# Altium PCB high-spped-thermocouple-logger.PcbDoc (part 2 of 3) (continued)
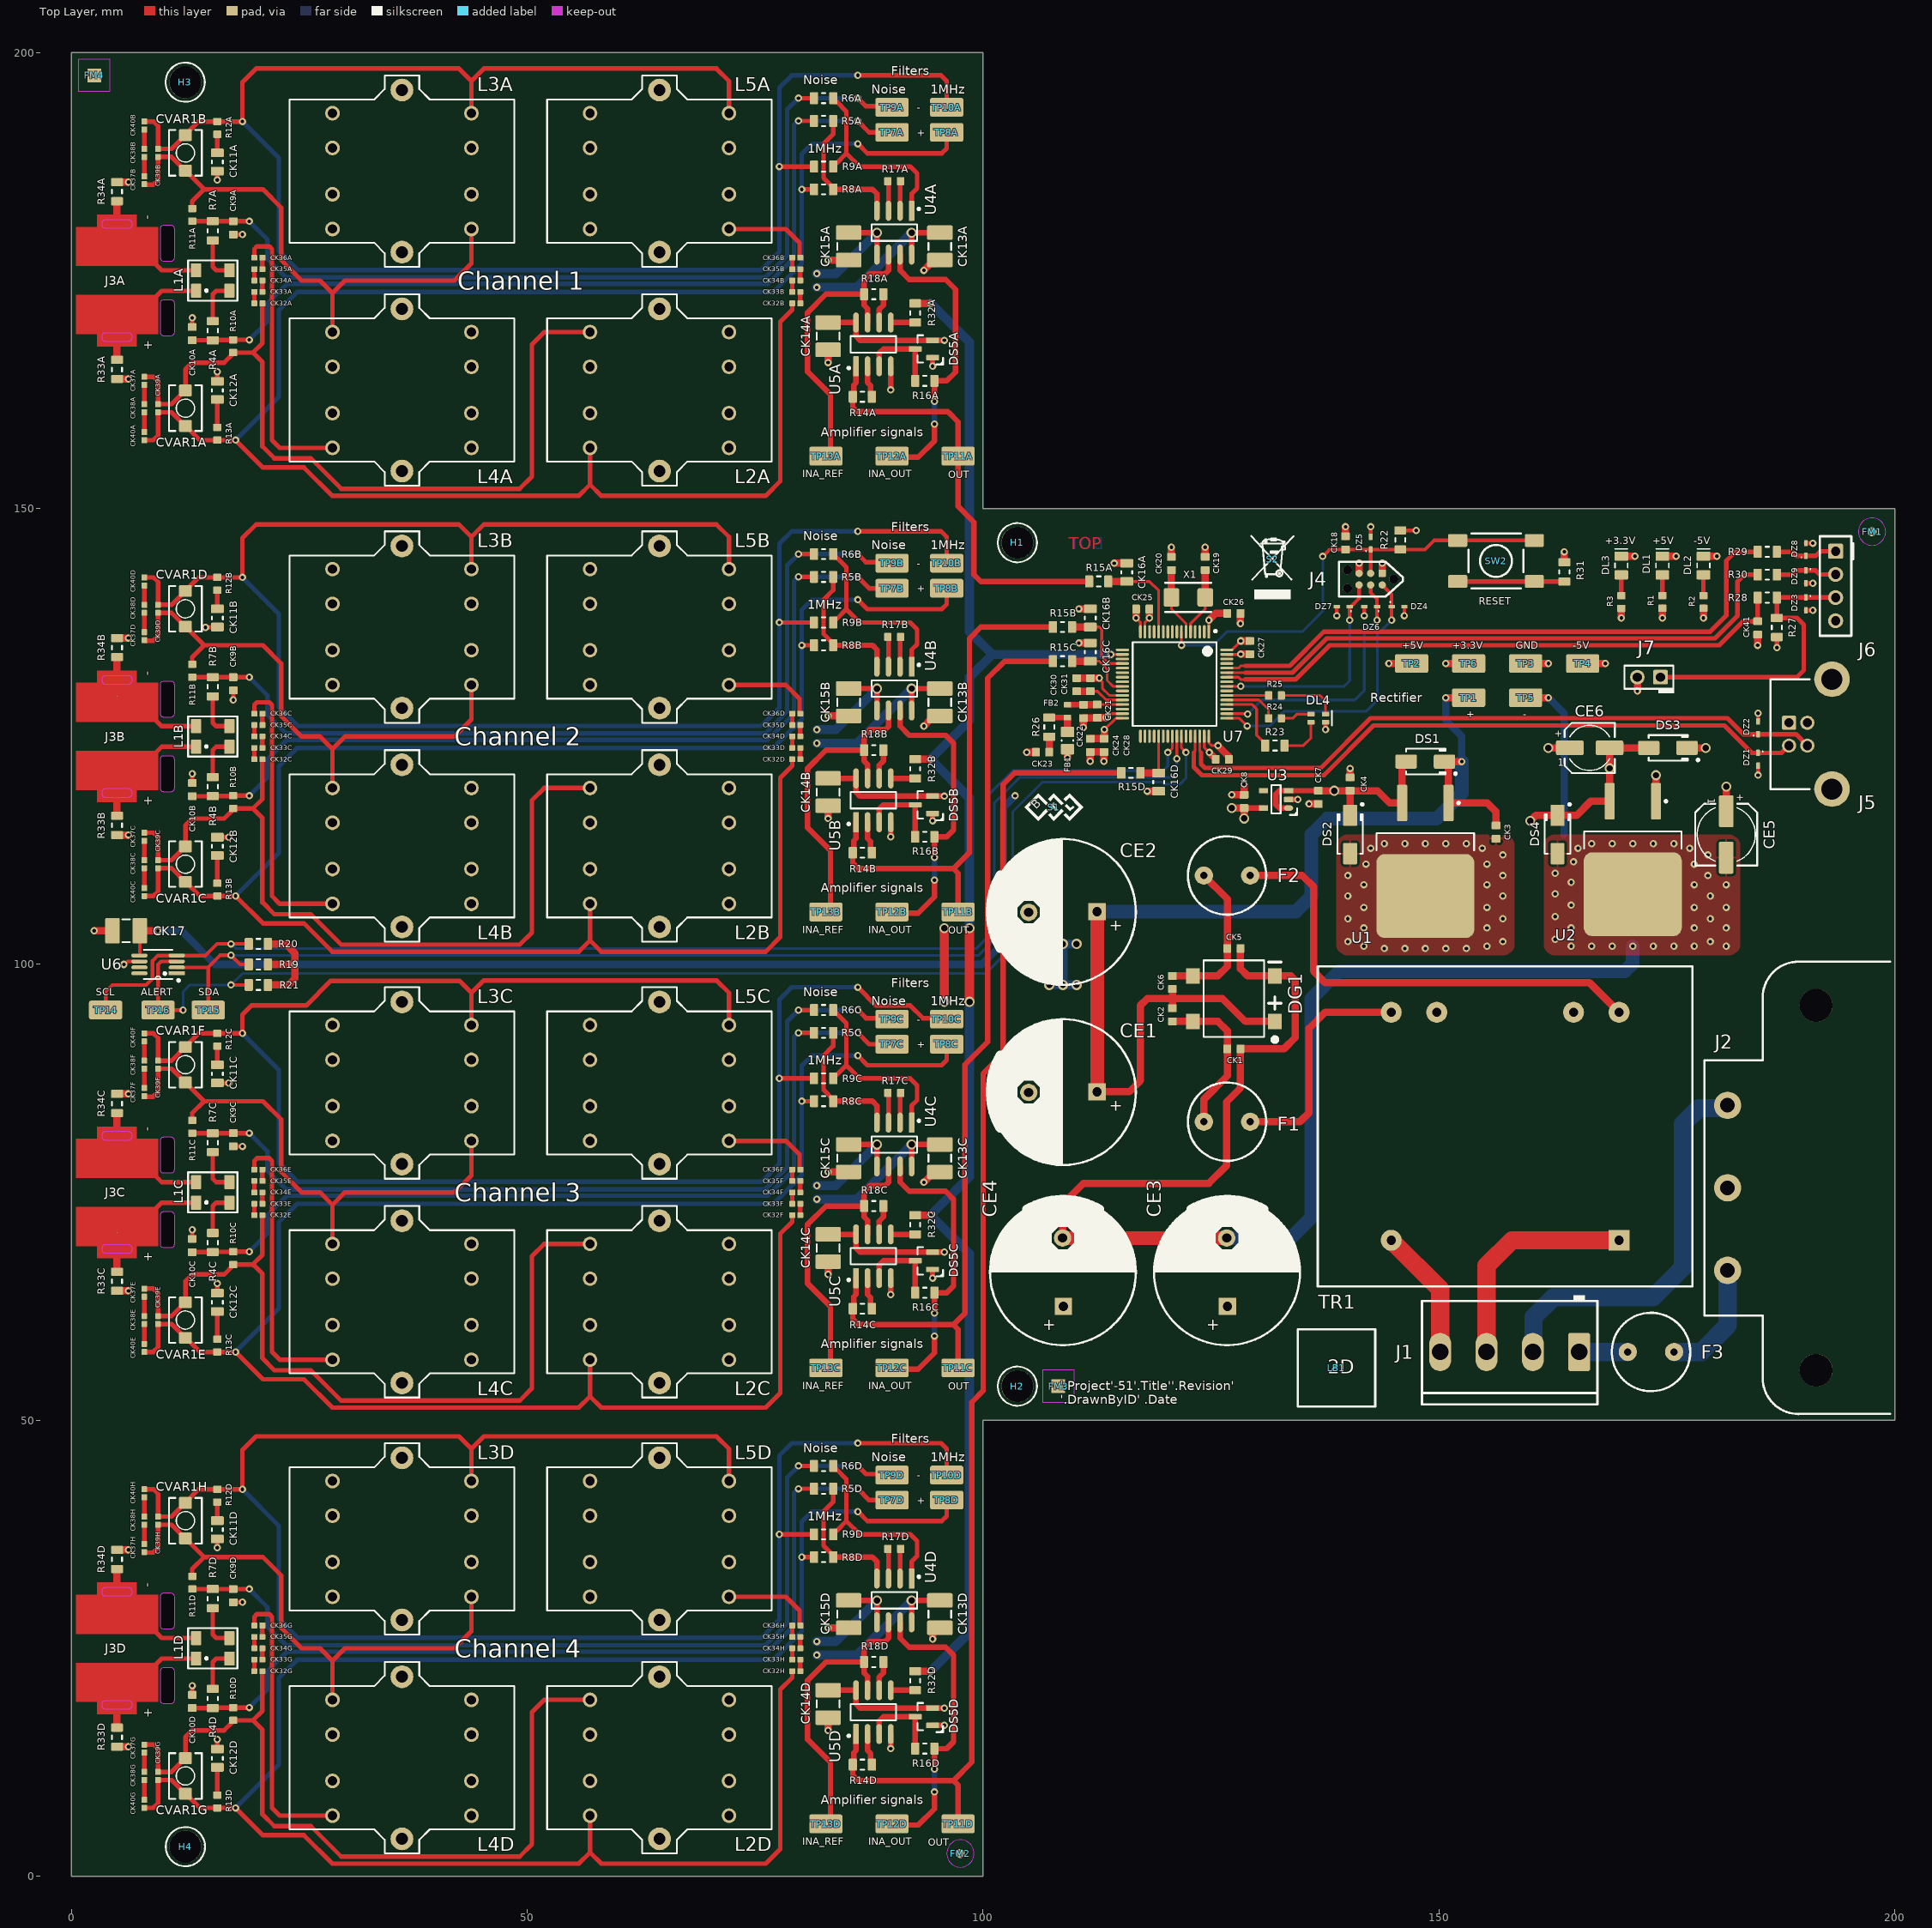
[diagram p0: Top Layer view]
## Nets (pads, with @x,y where several pads share a name; then routed paths per layer and width w, separated by ;. In a path a pad name is that pad's centre, name@x,y a point inside that pad or via, vN(x,y) a via of type N, cw(c..) or ccw(c..) an arc to the next point about the centre after c; other vN are vias at no path point)
1MHZ_FILT_OUT+A: CK32B.1 CK39A.2 CK40A.2 CVAR1A.2 L2A.2 R8A.1 R13A.2 TP8A.1 | length 209.8
  Top Layer w0.5: CK40A.2@8,157.5 8.975,157.5 9.5,158.025 CK39A.2@9.5,160.56 10.99,160.56 CVAR1A.2@12.5,159.05 ; CVAR1A.2@12.55,159.05 14.1,157.5 R13A.2@16,157.5 v1(18,157.5) 21,154.5 25.5,154.5 28.609,151.391 55.651,151.391 56.88,152.62 ; L2A.2@56.88,156.65 56.88,152.62 ; CK32B.1@79.06,172.5 79.06,171.785 77.75,170.475 77.75,153 76.141,151.391 58.109,151.391 56.88,152.62 ; v1(80.1,185) R8A.1@81.45,185 ; v1(86.25,190) 87.3,188.95 95.45,188.95 96,189.5 TP8A.1@96,191.25
  Bottom Layer w0.5: v1(18,157.5) 22.75,162.25 22.75,171.75 24.75,173.75 77,173.75 80.1,176.85 v1(80.1,185) 80.1,188.89 81.21,190 v1(86.25,190)
1MHZ_FILT_OUT+B: CK32D.1 CK39C.2 CK40C.2 CVAR1C.2 L2B.2 R8B.1 R13B.2 TP8B.1 | length 209.8
  Top Layer w0.5: CK40C.2@8,107.5 8.975,107.5 9.5,108.025 CK39C.2@9.5,110.56 10.99,110.56 CVAR1C.2@12.5,109.05 ; CVAR1C.2@12.55,109.05 14.1,107.5 R13B.2@16,107.5 v1(18,107.5) 21,104.5 25.5,104.5 28.609,101.391 55.651,101.391 56.88,102.62 ; L2B.2@56.88,106.65 56.88,102.62 ; CK32D.1@79.06,122.5 79.06,121.785 77.75,120.475 77.75,103 76.141,101.391 58.109,101.391 56.88,102.62 ; v1(80.1,135) R8B.1@81.45,135 ; v1(86.25,140) 87.3,138.95 95.45,138.95 96,139.5 TP8B.1@96,141.25
  Bottom Layer w0.5: v1(18,107.5) 22.75,112.25 22.75,121.75 24.75,123.75 77,123.75 80.1,126.85 v1(80.1,135) 80.1,138.89 81.21,140 v1(86.25,140)
1MHZ_FILT_OUT+C: CK32F.1 CK39E.2 CK40E.2 CVAR1E.2 L2C.2 R8C.1 R13C.2 TP8C.1 | length 209.8
  Top Layer w0.5: CK40E.2@8,57.5 8.975,57.5 9.5,58.025 CK39E.2@9.5,60.56 10.99,60.56 CVAR1E.2@12.5,59.05 ; CVAR1E.2@12.55,59.05 14.1,57.5 R13C.2@16,57.5 v1(18,57.5) 21,54.5 25.5,54.5 28.609,51.391 55.651,51.391 56.88,52.62 ; L2C.2@56.88,56.65 56.88,52.62 ; CK32F.1@79.06,72.5 79.06,71.785 77.75,70.475 77.75,53 76.141,51.391 58.109,51.391 56.88,52.62 ; v1(80.1,85) R8C.1@81.45,85 ; v1(86.25,90) 87.3,88.95 95.45,88.95 96,89.5 TP8C.1@96,91.25
  Bottom Layer w0.5: v1(18,57.5) 22.75,62.25 22.75,71.75 24.75,73.75 77,73.75 80.1,76.85 v1(80.1,85) 80.1,88.89 81.21,90 v1(86.25,90)
1MHZ_FILT_OUT+D: CK32H.1 CK39G.2 CK40G.2 CVAR1G.2 L2D.2 R8D.1 R13D.2 TP8D.1 | length 209.8
  Top Layer w0.5: CK40G.2@8,7.5 8.975,7.5 9.5,8.025 CK39G.2@9.5,10.56 10.99,10.56 CVAR1G.2@12.5,9.05 ; CVAR1G.2@12.55,9.05 14.1,7.5 R13D.2@16,7.5 v1(18,7.5) 21,4.5 25.5,4.5 28.609,1.391 55.651,1.391 56.88,2.62 ; L2D.2@56.88,6.65 56.88,2.62 ; CK32H.1@79.06,22.5 79.06,21.785 77.75,20.475 77.75,3 76.141,1.391 58.109,1.391 56.88,2.62 ; v1(80.1,35) R8D.1@81.45,35 ; v1(86.25,40) 87.3,38.95 95.45,38.95 96,39.5 TP8D.1@96,41.25
  Bottom Layer w0.5: v1(18,7.5) 22.75,12.25 22.75,21.75 24.75,23.75 77,23.75 80.1,26.85 v1(80.1,35) 80.1,38.89 81.21,40 v1(86.25,40)
1MHZ_FILT_OUT-A: CK39B.2 CK40B.2 CVAR1B.2 L3A.2 L5A.2 R9A.1 R12A.2 TP10A.1 | length 198
  Top Layer w0.5: CK40B.2@8,192.44 9.01,192.44 9.5,191.95 CK39B.2@9.5,189.44 10.99,189.44 CVAR1B.2@12.5,190.95 ; CVAR1B.2@12.475,190.975 13.94,192.44 R12A.2@16,192.44 v1(18.75,192.44) 18.75,196.75 20.25,198.25 24.56,198.25 42.5,198.25 43.87,196.88 ; L3A.2@43.87,193.35 43.87,196.88 ; L5A.2@72.12,193.35 72.12,196.88 70.75,198.25 45.24,198.25 43.87,196.88 ; v1(77.65,187.5) R9A.1@81.45,187.5 ; v1(86.25,197.5) 95.386,197.5 96,196.886 96,194.136 TP10A.1@96.028,194.108
  Bottom Layer w0.5: v1(18.75,192.44) 22.75,188.44 22.75,178.25 24.84,176.16 75.66,176.16 77.65,178.15 v1(77.65,187.5) 77.65,196.15 79,197.5 v1(86.25,197.5)
1MHZ_FILT_OUT-B: CK39D.2 CK40D.2 CVAR1D.2 L3B.2 L5B.2 R9B.1 R12B.2 TP10B.1 | length 198
  Top Layer w0.5: CK40D.2@8,142.44 9.01,142.44 9.5,141.95 CK39D.2@9.5,139.44 10.99,139.44 CVAR1D.2@12.5,140.95 ; CVAR1D.2@12.475,140.975 13.94,142.44 R12B.2@16,142.44 v1(18.75,142.44) 18.75,146.75 20.25,148.25 24.56,148.25 42.5,148.25 43.87,146.88 ; L3B.2@43.87,143.35 43.87,146.88 ; L5B.2@72.12,143.35 72.12,146.88 70.75,148.25 45.24,148.25 43.87,146.88 ; v1(77.65,137.5) R9B.1@81.45,137.5 ; v1(86.25,147.5) 95.386,147.5 96,146.886 96,144.136 TP10B.1@96.028,144.108
  Bottom Layer w0.5: v1(18.75,142.44) 22.75,138.44 22.75,128.25 24.84,126.16 75.66,126.16 77.65,128.15 v1(77.65,137.5) 77.65,146.15 79,147.5 v1(86.25,147.5)
1MHZ_FILT_OUT-C: CK39F.2 CK40F.2 CVAR1F.2 L3C.2 L5C.2 R9C.1 R12C.2 TP10C.1 | length 195
  Top Layer w0.5: CK40F.2@8,92.44 9.01,92.44 9.5,91.95 CK39F.2@9.5,89.44 10.99,89.44 CVAR1F.2@12.5,90.95 ; CVAR1F.2@12.475,90.975 13.94,92.44 R12C.2@16,92.44 v1(18.75,92.44) 18.75,94.5 19.75,95.5 25.75,95.5 28.45,98.2 42.55,98.2 43.87,96.88 ; L3C.2@43.87,93.35 43.87,96.88 ; L5C.2@72.12,93.35 72.12,96.88 70.75,98.25 45.24,98.25 43.87,96.88 ; v1(77.65,87.5) R9C.1@81.45,87.5 ; v1(86.25,97.5) 88.25,95.5 92,95.5 93.392,94.108 TP10C.1@96.028,94.108
  Bottom Layer w0.5: v1(18.75,92.44) 22.75,88.44 22.75,78.25 24.84,76.16 75.66,76.16 77.65,78.15 v1(77.65,87.5) 77.65,96.15 79,97.5 v1(86.25,97.5)
1MHZ_FILT_OUT-D: CK39H.2 CK40H.2 CVAR1H.2 L3D.2 L5D.2 R9D.1 R12D.2 TP10D.1 | length 198
  Top Layer w0.5: CK40H.2@8,42.44 9.01,42.44 9.5,41.95 CK39H.2@9.5,39.44 10.99,39.44 CVAR1H.2@12.5,40.95 ; CVAR1H.2@12.475,40.975 13.94,42.44 R12D.2@16,42.44 v1(18.75,42.44) 18.75,46.75 20.25,48.25 24.56,48.25 42.5,48.25 43.87,46.88 ; L3D.2@43.87,43.35 43.87,46.88 ; L5D.2@72.12,43.35 72.12,46.88 70.75,48.25 45.24,48.25 43.87,46.88 ; v1(77.65,37.5) R9D.1@81.45,37.5 ; v1(86.25,47.5) 95.386,47.5 96,46.886 96,44.136 TP10D.1@96.028,44.108
  Bottom Layer w0.5: v1(18.75,42.44) 22.75,38.44 22.75,28.25 24.84,26.16 75.66,26.16 77.65,28.15 v1(77.65,37.5) 77.65,46.15 79,47.5 v1(86.25,47.5)
+3.3V: CK8.1 CK14A.1 CK14B.1 CK14C.1 CK14D.1 CK17.1 CK24.2 CK25.2 CK26.2 CK27.2 CK28.2 CK29.2 DS5A.2 DS5B.2 DS5C.2 DS5D.2 FB1.1 J4.1 R3.2 R19.2 R20.2 R21.2 R22.2 R27.2 TP6.1 U3.5 U5A.8 U5B.8 U5C.8 U5D.8 U6.5 U7.1 U7.16 U7.32 U7.48 U7.64 | length 372.7
  Top Layer w0.3: v1(113.3,125.75) 114.55,127 U7.32@115.275,127 ; v1(116.775,138) 117.25,137.525 U7.16@117.25,136.475 ; U7.48@124.75,125.025 124.75,124.3 125.05,124 v1(125.75,124) ; U7.1@124.75,136.475 v1(124.75,137.75) ; U7.64@126.725,134.5 127.305,134.5 v1@128.25,135.445
  Top Layer w0.4: U6.5@7.455,100.975 7.48,100.975 U6.5@7.494,100.99 ; 7.5,101.25 CK17.1@7.5,103.692 ; R22.2@145.75,147.6 v1(147.5,147.6)
  Top Layer w0.5: v1(187.07,134.75) R27.2@187.07,135.88
  Top Layer w0.6: CK14D.1@83,20.4 U5D.8@86.055,20.4 86.055,18.895 86.5,18.45 DS5D.2@94.45,18.45 v1(95.75,18.45) ; CK14C.1@83,70.4 U5C.8@86.055,70.4 86.055,68.895 86.5,68.45 DS5C.2@94.45,68.45 v1(95.75,68.45) ; CK14B.1@83,120.4 U5B.8@86.055,120.4 86.055,118.895 86.5,118.45 DS5B.2@94.45,118.45 v1(95.75,118.45) ; CK14A.1@83,170.4 U5A.8@86.055,170.4 86.055,168.895 86.5,168.45 v1(95.75,168.45) ; CK8.1@128.625,117.15 U3.5@130.75,117.15
  Top Layer w0.8: CK17.1@7.5,103.692 9.469,103.692 v1(9.475,103.686) ; R21.2@21.55,97.75 23.8,97.75 24.5,98.45 v1(24.5,100) ; R19.2@21.55,100 v1(24.5,100) ; R20.2@21.55,102.25 23.5,102.25 24.5,101.25 v1(24.5,100) ; v1(109.25,122.65) FB1.1@109.25,123.61 ; CK24.2@111.75,124.75 113.3,124.75 CK28.2@113.25,124.75 ; CK28.2@113.3,124.8 v1(113.3,125.75) ; v1(116.775,138) CK25.2@116.775,138.976 ; v1(124.75,137.75) 125.5,138.5 CK26.2@126.775,138.5 ; v1(125.75,124) 126.925,122.825 126.925,122.525 CK29.2@126.95,122.5 ; v2(127.275,117.15) CK8.1@128.625,117.15 v2(128.625,116) ; v1(128.25,135.475) CK27.2@129.25,135.475 ; J4.1@143.77,142.885 v1(143.77,144) ; v1(150.75,133) TP6.1@153.25,133 ; v1(170,138) R3.2@170,139.05
  Top Layer w1: v2(95.75,95.9) v2(95.75,103.975)
  VCC Layer w1: v1(95.75,18.45) 95.75,68.462 v2(95.75,95.9) ; v2(95.75,103.975) 95.75,123 97.5,124.75 ; v1(95.75,168.45) 95.75,126.5 97.5,124.75 ; 100.971,124.75 97.5,124.75
  Bottom Layer w0.8: v1(9.475,103.686) 9.481,103.692 12.058,103.692 15.75,100 v1(24.5,100) 99.842,100 102.25,102.408 102.25,117.25 v1(103.5,118.5)
+5V: CK4.1 CK7.1 CK13A.1 CK13B.1 CK13C.1 CK13D.1 DL4.4 DS1.2 DS2.1 R1.2 R33A.2 R33B.2 R33C.2 R33D.2 TP2.1 U1.3 U3.1 U3.3 U4A.8 U4B.8 U4C.8 U4D.8 | length 727.6
  Top Layer w0.5: v1(137.55,125.75) DL4.4@137.55,126.55
  Top Layer w0.6: U4D.8@92.155,27.85 92.155,30.245 v2(92.15,30.25) CK13D.1@95.25,30.25 ; U4C.8@92.155,77.85 92.155,80.245 v2(92.15,80.25) CK13C.1@95.25,80.25 ; U4B.8@92.155,127.85 92.155,130.245 v2(92.15,130.25) CK13B.1@95.25,130.25 ; U4A.8@92.155,177.85 92.155,180.245 v2(92.15,180.25) CK13A.1@95.25,180.25 ; U3.1@133.5,117.15 132.476,117.15 132.125,117.501 132.125,118.699 132.476,119.05 U3.3@133.5,119.05 CK7.1@136.75,119.05
  Top Layer w0.8: R33D.2@5,14.2 v1(6.25,14.2) ; R33C.2@5,64.2 v1(6.25,64.2) ; R33B.2@5,114.2 v1(6.25,114.2) ; R33A.2@5,164.2 v1(6.25,164.2) ; CK7.1@136.75,119.05 v2(138.5,119.05) CK4.1@140.25,119.05 ; DS2.1@140.25,116.35 CK4.1@140.25,119.05 ; v1(144.5,133) TP2.1@147,133 ; DS1.2@146.4,122.25 146.335,122.25 145.96,121.875 U1.3@145.96,117.7 144.6,117.7 143.25,119.05 CK4.1@140.25,119.05 ; v1(174.5,138) R1.2@174.5,139.054
  VCC Layer w0.8: v2(138.5,119.05) 138.5,122 137.55,122.95 v1(137.55,125.75) 137.55,131.55 139,133 v1(144.5,133) 146.75,135.25 171.75,135.25 v1(174.5,138)
  VCC Layer w1: v1(6.25,164.2) 13,164.2 14.75,165.95 14.75,172.75 16.25,174.25 v1(81.75,174.25) ; v1@6.252,14.202 13.002,14.202 14.752,15.952 14.752,22.752 16.252,24.252 v1(81.752,24.252) ; v1@6.252,64.203 13.002,64.203 14.752,65.953 14.752,72.752 16.252,74.252 v1(81.752,74.252) ; v1@6.252,114.198 13.002,114.198 14.752,115.948 14.752,122.747 16.252,124.247 v1(81.752,124.247)
  VCC Layer w1.5: v2(92.15,30.25) 92.15,58.5 v2(92.15,80.25) 92.15,95.9 94,97.75 v2(110.25,97.75) ; v2@92.15,180.245 92.15,158.5 v2(92.15,130.25) 92.15,104.1 94,102.25 v2(108.75,102.25) v2(110.25,102.25) 134.75,102.25 138.5,106 v2(138.5,119.05)
  Bottom Layer w1: v1(81.75,174.25) 86.15,174.25 v2(92.15,180.25) ; v1(81.752,24.252) 86.152,24.252 v2@92.153,30.252 ; v1(81.752,74.252) 86.152,74.252 v2@92.153,80.253 ; v1(81.752,124.247) 86.152,124.247 v2@92.153,130.248 ; v2(107.25,97.75) v2(108.75,97.75) ; v2(107.25,102.25) v2(108.75,102.25) ; v2(110.25,97.75) v2(108.75,97.75) ; v2(110.25,102.25) v2(108.75,102.25) ; v2(108.75,97.75) v2(108.75,102.25)
+5V_USB: J5.1
-5V: CE6.2 CK15A.1 CK15B.1 CK15C.1 CK15D.1 DL2.1 DS3.2 DS4.1 R34A.1 R34B.1 R34C.1 R34D.1 TP4.1 U2.3 U4A.5 U4B.5 U4C.5 U4D.5 | length 697.5
  Top Layer w0.6: CK15D.1@85.25,30.25 88.34,30.25 v2(88.345,30.245) U4D.5@88.345,27.85 ; CK15C.1@85.25,80.25 88.34,80.25 v2(88.345,80.245) U4C.5@88.345,77.85 ; CK15B.1@85.25,130.25 88.34,130.25 v2(88.345,130.245) U4B.5@88.345,127.85 ; CK15A.1@85.25,180.25 88.34,180.25 v2(88.345,180.245) U4A.5@88.345,177.85
  Top Layer w0.8: R34D.1@5,35.8 v1(6.25,35.8) ; R34C.1@5,85.8 v1(6.25,85.8) ; R34B.1@5,135.797 v1(6.252,135.797) ; R34A.1@5,185.8 v1(6.25,185.8) ; v2(160,115.75) 160.019,115.75 160.619,116.35 DS4.1@163,116.35 165.1,116.35 166.65,117.9 U2.3@168.71,117.9 v2(168.71,121.5) CE6.2@168.71,123.75 DS3.2@173,123.75 ; TP4.1@165.75,133 v1(168.25,133) ; DL2.1@179,144.775 180.475,144.775 v1(180.488,144.762)
  VCC Layer w0.8: v1(168.25,133) 168.25,128.52 172.25,124.52 ; v2(168.71,121.5) 171.5,121.5 172.25,122.25 172.25,124.52 ; v1(180.488,144.762) 180.5,144.75 180.5,128 178.75,126.25 173.98,126.25 172.25,124.52
  VCC Layer w1: v1@6.25,35.805 13,35.805 14.75,34.055 14.75,27.255 16.25,25.755 v1(81.75,25.755) ; v1@6.25,85.805 13,85.805 14.75,84.055 14.75,77.255 16.25,75.755 v1(81.75,75.755) ; v1(6.25,185.8) 13,185.8 14.75,184.05 14.75,177.25 16.25,175.75 v1(81.75,175.75) ; v1(6.252,135.797) 13.002,135.797 14.752,134.047 14.752,127.247 16.252,125.747 v1(81.752,125.747)
  VCC Layer w1.5: v2(88.345,30.245) 88.345,48.5 v2(88.345,80.245) 88.345,97.751 90.593,100 ; v2(88.345,180.245) 88.345,148.5 v2(88.345,130.245) 88.345,102.249 90.594,100 ; v2(160,115.75) 160,102.25 157.75,100 90.594,100
  Bottom Layer w1: v1(81.75,25.755) 83.85,25.755 v2@88.345,30.25 ; v1(81.75,75.755) 83.85,75.755 v2@88.345,80.25 ; v1(81.75,175.75) 83.85,175.75 v2(88.345,180.245) ; v1(81.752,125.747) 83.852,125.747 v2@88.347,130.242
AMPL_OUT1: CK16A.1 R15A.1 U7.12 | length 10.5
  Top Layer w0.3: CK16A.1@115.75,142 118.25,142 119.25,141 U7.12@119.25,136.475
  Top Layer w0.8: R15A.1@113.725,142 CK16A.1@115.75,142
AMPL_OUT2: CK16B.1 R15B.1 U7.20 | length 8.9
  Top Layer w0.3: CK16B.1@111.75,137 112.75,137 113.014,136.736 113.014,133.736 113.75,133 114.55,133 U7.20@115.275,133
  Top Layer w0.8: R15B.1@109.75,137 CK16B.1@111.75,137
AMPL_OUT3: CK16C.1 R15C.1 U7.25 | length 7.4
  Top Layer w0.3: CK16C.1@111.75,133.25 112.75,133.25 113.6,132.4 113.6,131.143 114.243,130.5 U7.25@115.275,130.5
  Top Layer w0.8: R15C.1@109.75,133.25 CK16C.1@111.75,133.25
AMPL_OUT4: CK16D.1 R15D.1 U7.37 | length 6
  Top Layer w0.3: CK16D.1@119.25,121 119.25,121.475 U7.37@119.25,125.025
  Top Layer w0.8: R15D.1@117.25,121 CK16D.1@119.25,121
AVDD: CK21.2 CK22.1 FB2.2 U7.29 | length 5.7
  Top Layer w0.3: CK21.2@112.775,128.5 U7.29@115.275,128.5
  Top Layer w0.6: FB2.2@109.25,128.475 CK22.1@111,128.475
  Top Layer w0.8: CK22.1@111.025,128.5 CK21.2@112.525,128.5
FE: J2.2
GND: CE1.2 CE2.2 CE3.1 CE4.1 CE5.1 CE6.1 CK3.2 CK4.2 CK7.2 CK8.2 CK9A.2 CK9B.2 CK9C.2 CK9D.2 CK10A.2 CK10B.2 CK10C.2 CK10D.2 CK11A.1 CK11B.1 CK11C.1 CK11D.1 CK12A.1 CK12B.1 CK12C.1 CK12D.1 CK13A.2 CK13B.2 CK13C.2 CK13D.2 CK14A.2 CK14B.2 CK14C.2 CK14D.2 CK15A.2 CK15B.2 CK15C.2 CK15D.2 CK16A.2 CK16B.2 CK16C.2 CK16D.2 CK17.2 CK18.1 CK19.2 CK20.2 CK21.1 CK22.2 CK23.2 CK24.1 CK25.1 CK26.1 CK27.1 CK28.1 CK29.1 CK30.1 CK31.2 CK41.2 DL1.1 DL3.1 DS2.2 DS3.1 DS5A.1 DS5B.1 DS5C.1 DS5D.1 DZ1.2 DZ2.2 DZ3.2 DZ4.2 DZ5.2 DZ6.2 DZ7.2 DZ8.2 DZ9.2 J4.5 J5.4 J5.SH J6.4 J7.2 L2A.GND L2B.GND L2C.GND L2D.GND L3A.GND L3B.GND L3C.GND L3D.GND L4A.GND L4B.GND L4C.GND L4D.GND L5A.GND L5B.GND L5C.GND L5D.GND R2.2 R31.2 TP3.1 TR1.7 TR1.9 U1.2 U2.1 U3.2 U5A.4 U5B.4 U5C.4 U5D.4 U6.6 U7.15 U7.27 U7.31 U7.47 U7.63 | length 124.7
  Top Layer w0.3: v1@112.764,131.387 112.764,131.286 113.075,130.975 113.075,130.292 113.867,129.5 U7.27@115.275,129.5 ; v1(113.5,127.075) 113.6,127.075 114.025,127.5 U7.31@115.275,127.5 ; U7.15@117.75,136.475 117.75,137.525 v1(118.225,138) ; U7.47@124.25,125.025 124.25,123.8 v1(124.8,123.25) ; U7.63@126.725,134 128.225,134 v1(128.25,134.025)
  Top Layer w0.4: v1(5.75,100) 5.844,100 6.169,100.325 U6.6@7.455,100.325 ; v1(138.8,138.25) DZ7.2@138.8,139.25 ; v1(141.8,138.25) DZ6.2@141.8,139.25 ; DZ5.2@142.5,146.9 v1(142.5,148) ; v1(146.2,138.25) DZ4.2@146.2,139.25 ; v1(185,120.75) DZ1.2@185,121.8 ; DZ2.2@185,126.65 v1(185,127.55)
  Top Layer w0.5: CK10D.2@13.25,19.9 v1(13.25,20.91) ; CK10C.2@13.25,69.9 v1(13.25,70.91) ; CK10B.2@13.25,119.9 v1(13.25,120.91) ; CK10A.2@13.25,169.9 v1(13.25,170.91) ; v1(14.7,136.95) 14.725,136.975 15.975,136.975 CK11B.1@16,137 ; CK12D.1@16,13.95 v1(16,15) ; v1(16,36.025) CK11D.1@16,37 ; CK12C.1@16,63.95 v1(16,65) ; CK11C.1@16,87 v1(17.25,87) ; CK12B.1@16,113.95 v1(17.25,113.95) ; CK12A.1@16,163.95 v1(16,165) ; v1(16,186.025) CK11A.1@16,187 ; CK9D.2@17.75,30.05 v1(18.75,30.05) ; CK9C.2@17.75,80.05 v1(18.75,80.05) ; v1(17.75,129) CK9B.2@17.75,130.05 ; CK9A.2@17.75,180.05 v1(18.75,180.05) ; DZ8.2@190.25,146.2 v1(191,146.2) ; DZ3.2@190.25,138.85 v1(191,138.85) ; DZ9.2@190.25,141.8 v1(191,141.8)
  Top Layer w0.6: v1(89.865,14) U5D.4@89.865,15.6 ; v1(89.865,63.805) U5C.4@89.865,65.6 ; v1(89.865,114) U5B.4@89.865,115.6 ; v1(89.865,163) U5A.4@89.865,165.6 ; DS5D.1@94.45,16.55 v1(95.75,16.55) ; v1(94.45,65.6) DS5C.1@94.45,66.55 ; v1(94.45,115.75) DS5B.1@94.45,116.55 ; v1(94.45,165.6) DS5A.1@94.45,166.55 ; U3.2@133.5,118.1 v1(134.5,118.1)
  Top Layer w0.8: v1(2.5,103.686) 2.506,103.692 CK17.2@4.5,103.692 ; v1(83,16) CK14D.2@83,17.4 ; v1(83,27.25) CK15D.2@85.25,27.25 ; v1(83,66) CK14C.2@83,67.4 ; v1(83,77.25) CK15C.2@85.25,77.25 ; v1(83,116) CK14B.2@83,117.4 ; v1(83,127.25) CK15B.2@85.25,127.25 ; v1(83,166) CK14A.2@83,167.4 ; v1(83,177.25) CK15A.2@85.25,177.25 ; v1(93.5,76.101) 93.501,76.101 94.65,77.25 CK13C.2@95.25,77.25 ; v1(93.5,126.125) 94.225,126.85 94.85,126.85 CK13B.2@95.25,127.25 ; v1(93.5,176.125) 94.225,176.85 94.85,176.85 CK13A.2@95.25,177.25 ; v1(94.45,26.025) 94.45,26.85 94.85,27.25 CK13D.2@95.25,27.25 ; v1(104.775,123.275) CK23.2@105.8,123.275 ; CK30.1@110.25,131.401 CK31.2@111.75,131.401 v1(112.75,131.401) ; v1(110.5,135.25) CK16C.2@111.75,135.25 ; v1(110.5,139) CK16B.2@111.75,139 ; v1(111,126) CK22.2@111,127.025 112.45,127.025 112.475,127.05 CK21.1@112.525,127.05 112.55,127.075 v1(113.5,127.075) ; v1(111.75,122.275) CK24.1@111.75,123.3 CK28.1@113.25,123.3 v1(113.25,122.275) ; v1(114.375,144) CK16A.2@115.75,144 ; v1(118,119) CK16D.2@119.25,119 ; v1(118.225,138) CK25.1@118.225,138.976 ; CK20.2@120.65,144.7 v1(120.65,145.75) ; CK19.2@124.35,144.7 v1(124.35,145.75) ; v1(124.8,123.25) 125.5,122.55 CK29.1@125.5,122.5 ; v1(127.275,118.6) CK8.2@128.625,118.6 v1(128.625,119.75) ; v1(128.225,137.376) CK26.1@128.225,138.5 ; v1(128.25,134.025) CK27.1@129.25,134.025 ; v1(135.75,117.6) CK7.2@136.75,117.6 ; CK18.1@139.75,146.95 v1(139.75,148) ; CK4.2@140.25,120.5 v1(140.25,121.5) ; J4.5@141.23,142.885 v1(141.23,144) ; TP3.1@159.5,133 v1(162,133) ; v2(162,123.75) CE6.1@164.341,123.75 ; R31.2@163.75,144.1 v1(163.75,145.25) ; DL3.1@170,144.775 v1(171.5,144.775) ; v1(171.75,130) J7.2@171.75,131.5 ; U2.1@173.79,117.9 v2(173.79,120.75) ; DL1.1@174.5,144.775 v1(176,144.775) ; DS3.1@177.2,123.75 v2(179.25,123.75) ; v1(179,138) R2.2@179,139.054 ; CE5.1@181.5,116.8 v2(181.5,119.5) ; v1(184.95,135) CK41.2@184.95,136.175
  other v1: 144,101.75 146.25,101.75 148.5,101.75 150.75,101.75 153,101.75 141.75,102 155.25,102 140,102.5 157,102.5 141.75,104 155.25,104 140,105 157,105 141.75,106.25 155.25,106.25 140,107.5 157,107.5 141.75,108.75 155.25,108.75 140,109.75 157,109.75 142,111 155.25,111 157,112 142.5,112.75 154.75,112.75 144,113.25 146.25,113.25 148.5,113.25 150.75,113.25 153,113.25
INAMP+1: R5A.2 R8A.2 U4A.4 | length 15
  Top Layer w0.5: R8A.2@83.55,185.2 82.5,186.25 82.5,190 83.55,191.05 R5A.2@83.55,192.5
  Top Layer w0.6: R8A.2@83.55,185 87.855,185 88.345,184.51 U4A.4@88.345,182.65
INAMP+2: R5B.2 R8B.2 U4B.4 | length 15
  Top Layer w0.5: R8B.2@83.55,135.2 82.5,136.25 82.5,140 83.55,141.05 R5B.2@83.55,142.5
  Top Layer w0.6: R8B.2@83.55,135 87.855,135 88.345,134.51 U4B.4@88.345,132.65
INAMP+3: R5C.2 R8C.2 U4C.4 | length 15
  Top Layer w0.5: R8C.2@83.55,85.2 82.5,86.25 82.5,90 83.55,91.05 R5C.2@83.55,92.5
  Top Layer w0.6: R8C.2@83.55,85 87.855,85 88.345,84.51 U4C.4@88.345,82.65
INAMP+4: R5D.2 R8D.2 U4D.4 | length 15
  Top Layer w0.5: R8D.2@83.55,35.2 82.5,36.25 82.5,40 83.55,41.05 R5D.2@83.55,42.5
  Top Layer w0.6: R8D.2@83.55,35 87.855,35 88.345,34.51 U4D.4@88.345,32.65
INAMP-1: R6A.2 R9A.2 U4A.1 | length 22.1
  Top Layer w0.5: R6A.2@83.55,195 83.55,194.8 83.75,194.6 83.95,194.6 85,193.55 85,188.95 ; R9A.2@83.75,187.5 R9A.2@83.55,187.5 83.55,187.7 83.75,187.9 83.95,187.9 85,188.95 ; U4A.1@92.155,182.65 92.155,184.51 92.75,185.105 92.75,186.75 92,187.5 87,187.5 86.45,187.5 85,188.95
INAMP-2: R6B.2 R9B.2 U4B.1 | length 22.1
  Top Layer w0.5: R6B.2@83.55,145 83.55,144.8 83.75,144.6 83.95,144.6 85,143.55 85,138.95 ; R9B.2@83.75,137.5 R9B.2@83.55,137.5 83.55,137.7 83.75,137.9 83.95,137.9 85,138.95 ; U4B.1@92.155,132.65 92.155,134.51 92.75,135.105 92.75,136.75 92,137.5 87,137.5 86.45,137.5 85,138.95
INAMP-3: R6C.2 R9C.2 U4C.1 | length 22.1
  Top Layer w0.5: R6C.2@83.55,95 83.55,94.8 83.75,94.6 83.95,94.6 85,93.55 85,88.95 ; R9C.2@83.75,87.5 R9C.2@83.55,87.5 83.55,87.7 83.75,87.9 83.95,87.9 85,88.95 ; U4C.1@92.155,82.65 92.155,84.51 92.75,85.105 92.75,86.75 92,87.5 87,87.5 86.45,87.5 85,88.95
INAMP-4: R6D.2 R9D.2 U4D.1 | length 22.1
  Top Layer w0.5: R6D.2@83.55,45 83.55,44.8 83.75,44.6 83.95,44.6 85,43.55 85,38.95 ; R9D.2@83.75,37.5 R9D.2@83.55,37.5 83.55,37.7 83.75,37.9 83.95,37.9 85,38.95 ; U4D.1@92.155,32.65 92.155,34.51 92.75,35.105 92.75,36.75 92,37.5 87,37.5 86.45,37.5 85,38.95
INAMP_OFFS: R32A.2 R32B.2 R32C.2 R32D.2 U7.18 | length 183.7
  Top Layer w0.3: v1(114,134) U7.18@115.275,134
  Top Layer w0.8: R32D.2@92.55,22.5 v1(94.25,22.5) ; R32C.2@92.55,72.5 v1(94.25,72.5) ; R32B.2@92.55,122.5 v1(94.25,122.5) ; R32A.2@92.55,172.5 v1(94.25,172.5)
  Top Layer w1: v2(98.5,95.9) v2(98.5,103.975)
  Bottom Layer w1: v1(94.25,22.5) 98.5,26.75 98.5,68.25 v1(94.25,72.5) 98.5,76.75 v2(98.5,95.9) ; v1(94.25,172.5) 98.5,168.25 98.5,136.5 101,134 ; v2(98.5,103.975) 98.5,118.25 v1(94.25,122.5) 98.5,126.75 98.5,131.5 101,134 ; v1(114,134) 101,134
INAMP_OUTA: R16A.2 TP12A.1 U4A.7 | length 32.5
  Top Layer w0.6: TP12A.1@90,155.75 90.126,155.624 92.874,155.624 94.65,157.4 v1(94.65,159.25) ; U4A.7@90.885,177.85 90.885,176.125 91.885,175.125 95.875,175.125 96.953,174.047 96.953,164.953 96,164 R16A.2@94.65,164 v1(94.65,161.75)
  Bottom Layer w0.6: v1(94.65,159.25) v1(94.65,161.75)
INAMP_OUTB: R16B.2 TP12B.1 U4B.7 | length 32.3
  Top Layer w0.6: TP12B.1@90,105.75 90.126,105.624 92.874,105.624 94.65,107.4 v1(94.65,109.25) ; U4B.7@90.885,127.85 90.885,126.125 91.885,125.125 95.875,125.125 96.75,124.25 96.75,114.75 96,114 R16B.2@94.65,114 v1(94.65,111.75)
  Bottom Layer w0.6: v1(94.65,109.25) v1(94.65,111.75)
INAMP_OUTC: R16C.2 TP12C.1 U4C.7 | length 32.3
  Top Layer w0.6: TP12C.1@90,55.75 90.126,55.624 92.874,55.624 94.65,57.4 v1(94.65,59.25) ; U4C.7@90.885,77.85 90.885,76.125 91.885,75.125 95.875,75.125 96.75,74.25 96.75,64.75 96,64 R16C.2@94.65,64 v1(94.65,61.75)
  Bottom Layer w0.6: v1(94.65,59.25) v1(94.65,61.75)
INAMP_OUTD: R16D.2 TP12D.1 U4D.7 | length 32.3
  Top Layer w0.6: TP12D.1@90,5.75 90.126,5.624 92.874,5.624 94.65,7.4 v1(94.65,9.25) ; U4D.7@90.885,27.85 90.885,26.125 91.885,25.125 95.875,25.125 96.75,24.25 96.75,14.75 96,14 R16D.2@94.65,14 v1(94.65,11.75)
  Bottom Layer w0.6: v1(94.65,9.25) v1(94.65,11.75)
INAMP_REFA: R18A.1 TP13A.1 U4A.6 U5A.7 | length 34
  Top Layer w0.6: TP13A.1@82.75,155.75 83.25,155.75 83.25,162.5 80.75,165 80.75,171.5 82.75,173.5 R18A.1@86.95,173.5 ; U5A.7@87.325,170.4 87.325,171.925 86.95,172.3 R18A.1@86.95,173.5 ; U4A.6@89.615,177.85 89.615,176.101 89.264,175.75 87.575,175.75 86.95,175.125 R18A.1@86.95,173.5
INAMP_REFB: R18B.1 TP13B.1 U4B.6 U5B.7 | length 34
  Top Layer w0.6: TP13B.1@82.75,105.75 83.25,105.75 83.25,112.5 80.75,115 80.75,121.5 82.75,123.5 R18B.1@86.95,123.5 ; U5B.7@87.325,120.4 87.325,121.925 86.95,122.3 R18B.1@86.95,123.5 ; U4B.6@89.615,127.85 89.615,126.101 89.264,125.75 87.575,125.75 86.95,125.125 R18B.1@86.95,123.5
INAMP_REFC: R18C.1 TP13C.1 U4C.6 U5C.7 | length 34
  Top Layer w0.6: TP13C.1@82.75,55.75 83.25,55.75 83.25,62.5 80.75,65 80.75,71.5 82.75,73.5 R18C.1@86.95,73.5 ; U5C.7@87.325,70.4 87.325,71.925 86.95,72.3 R18C.1@86.95,73.5 ; U4C.6@89.615,77.85 89.615,76.101 89.264,75.75 87.575,75.75 86.95,75.125 R18C.1@86.95,73.5
INAMP_REFD: R18D.1 TP13D.1 U4D.6 U5D.7 | length 34
  Top Layer w0.6: TP13D.1@82.75,5.75 83.25,5.75 83.25,12.5 80.75,15 80.75,21.5 82.75,23.5 R18D.1@86.95,23.5 ; U5D.7@87.325,20.4 87.325,21.925 86.95,22.3 R18D.1@86.95,23.5 ; U4D.6@89.615,27.85 89.615,26.101 89.264,25.75 87.575,25.75 86.95,25.125 R18D.1@86.95,23.5
IND_LED_B: R25.1 U7.54 | length 4.6
  Top Layer w0.3: U7.54@126.725,129.5 R25.1@131.3,129.5
IND_LED_G: R24.1 U7.53 | length 6
  Top Layer w0.3: U7.53@126.725,129 130.25,129 131.3,127.95 R24.1@131.3,127
IND_LED_R: R23.2 U7.52 | length 7.9
  Top Layer w0.3: U7.52@126.725,128.5 129.506,128.5 130,128.006 130,125.15 130.95,124.2 R23.2@130.95,124
NetCK11A_2: CK11A.2 R12A.1 | length 2
  Top Layer w0.5: CK11A.2@16,189 R12A.1@16,191.04
NetCK11B_2: CK11B.2 R12B.1 | length 2
  Top Layer w0.5: CK11B.2@16,139 R12B.1@16,141.04
NetCK11C_2: CK11C.2 R12C.1 | length 2
  Top Layer w0.5: CK11C.2@16,89 R12C.1@16,91.04
NetCK11D_2: CK11D.2 R12D.1 | length 2
  Top Layer w0.5: CK11D.2@16,39 R12D.1@16,41.04
NetCK12A_2: CK12A.2 R13A.1 | length 3
  Top Layer w0.5: R13A.1@16,158.9 CK12A.2@16,161.95
NetCK12B_2: CK12B.2 R13B.1 | length 3
  Top Layer w0.5: R13B.1@16,108.9 CK12B.2@16,111.95
NetCK12C_2: CK12C.2 R13C.1 | length 3
  Top Layer w0.5: R13C.1@16,58.9 CK12C.2@16,61.95
NetCK12D_2: CK12D.2 R13D.1 | length 3
  Top Layer w0.5: R13D.1@16,8.9 CK12D.2@16,11.95
NetCK23_1: CK23.1 R26.1 | length 1.7
  Top Layer w0.8: CK23.1@107.25,123.275 R26.1@107.25,124.975
NetCK30_2: CK30.2 CK31.1 U7.28 | length 5.4
  Top Layer w0.3: CK31.1@111.75,129.951 112.549,129.951 113.5,129 U7.28@115.275,129
  Top Layer w0.8: CK30.2@110.25,129.951 CK31.1@111.75,129.951
NetCK32A_1: CK32A.1 CK37A.1 CK39A.1 CVAR1A.1 L2A.1 R10A.2 | length 88.4
  Top Layer w0.5: CK37A.1@8,164.44 9.01,164.44 9.5,163.95 CK39A.1@9.5,161.44 10.99,161.44 CVAR1A.1@12.5,162.95 12.5,165.25 13.25,166 16.75,166 17.75,167 R10A.2@17.75,167.1 19.9,167.1 ; CK32A.1@20.94,172.5 20.94,168.14 19.9,167.1 ; L2A.1@56.88,169.35 51.85,169.35 50.5,168 50.5,153.5 49.162,152.162 29.588,152.162 26.25,155.5 22.25,155.5 20.94,156.81 20.94,166.06 20,167 19.9,167.1
NetCK32A_2: CK32A.2 CK33A.1 | length 1.3
  Top Layer w0.5: CK32A.2@20.06,172.5 CK33A.1@20.06,173.75
NetCK32B_2: CK32B.2 CK33B.1 | length 1.3
  Top Layer w0.5: CK32B.2@79.94,172.5 CK33B.1@79.94,173.75
NetCK32C_1: CK32C.1 CK37C.1 CK39C.1 CVAR1C.1 L2B.1 R10B.2 | length 88.4
  Top Layer w0.5: CK37C.1@8,114.44 9.01,114.44 9.5,113.95 CK39C.1@9.5,111.44 10.99,111.44 CVAR1C.1@12.5,112.95 12.5,115.25 13.25,116 16.75,116 17.75,117 R10B.2@17.75,117.1 19.9,117.1 ; CK32C.1@20.94,122.5 20.94,118.14 19.9,117.1 ; L2B.1@56.88,119.35 51.85,119.35 50.5,118 50.5,103.5 49.162,102.162 29.588,102.162 26.25,105.5 22.25,105.5 20.94,106.81 20.94,116.06 20,117 19.9,117.1